# Altium PCB PA_8CH_CTRL.PcbDoc (part 6 of 10) (continued)
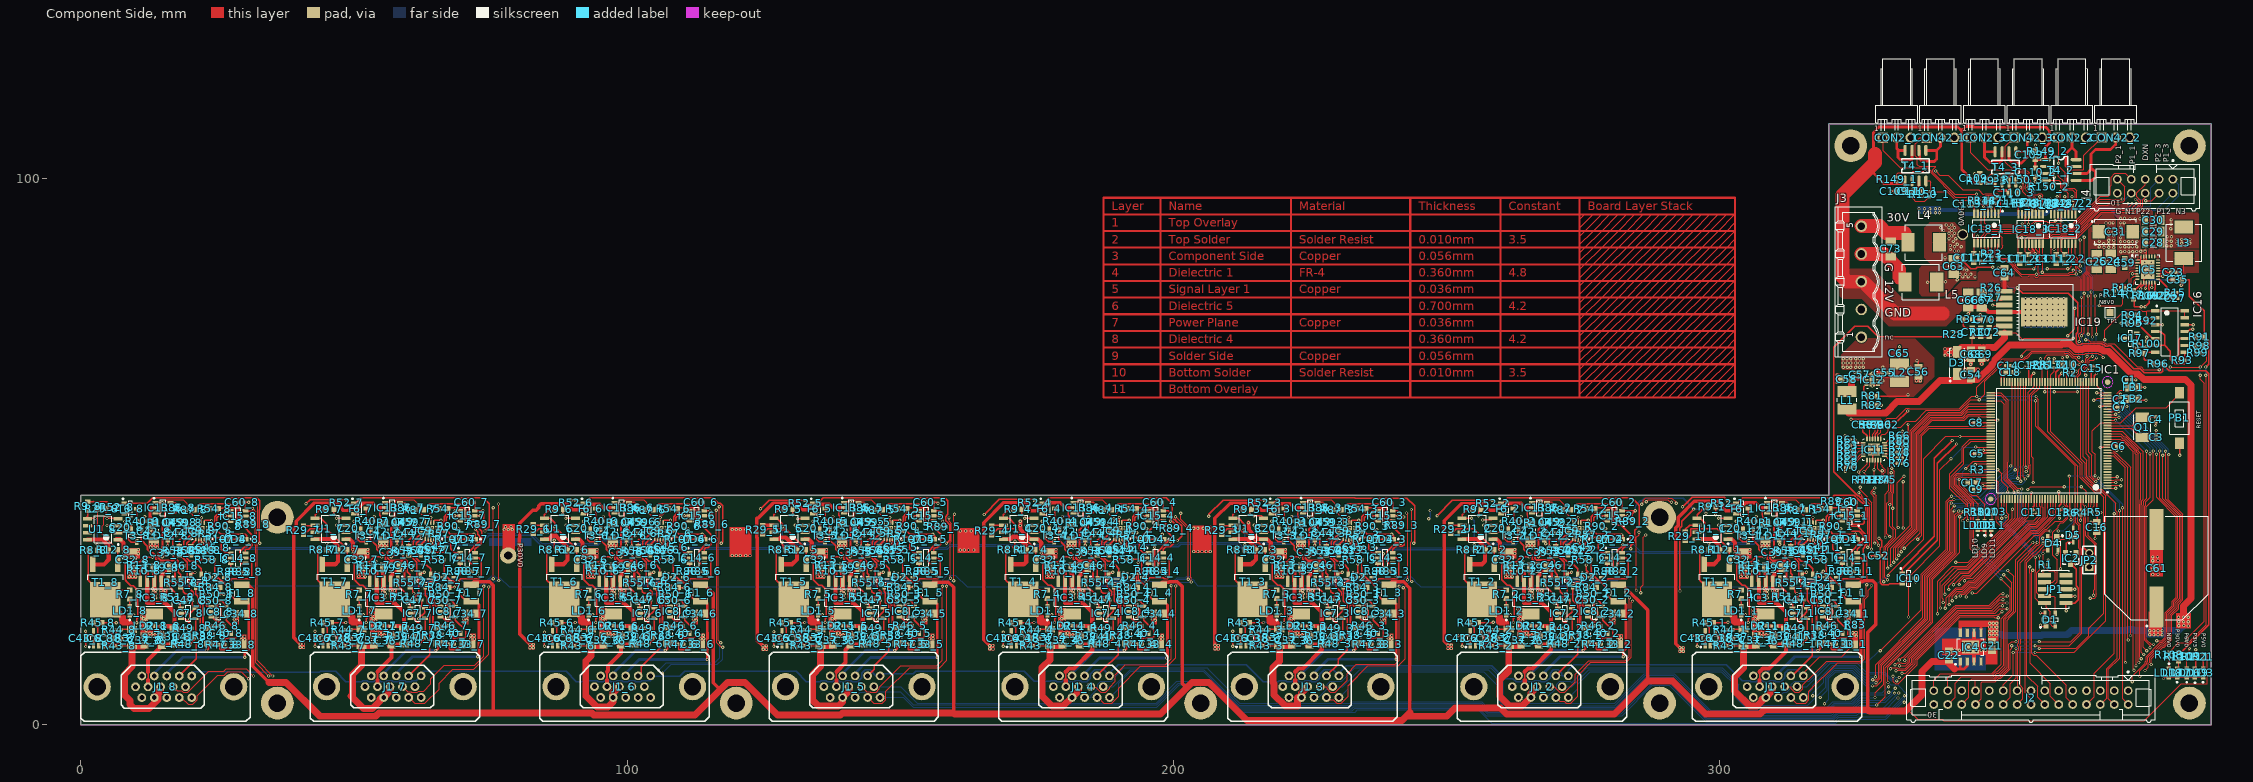
[diagram p0: Component Side view]
## Nets (pads, with @x,y where several pads share a name; then routed paths per layer and width w, separated by ;. In a path a pad name is that pad's centre, name@x,y a point inside that pad or via, vN(x,y) a via of type N, cw(c..) or ccw(c..) an arc to the next point about the centre after c; other vN are vias at no path point) (continued)
NetIC1_103: IC1.103 J2.27 | length 60
  Component Side w0.152: J2.27@341.76,6.27 341.76,8.614 342.228,9.082 349.923,9.082 350.57,9.728 350.799,9.728 352,10.929 352,19.447 352.954,20.401 352.973,20.401 353.512,20.94 353.512,25.988 v1(352,27.5) ; v1(346.38,32.487) 346.259,32.607 346.259,40.625 343.057,43.827 343.057,45.278 343.545,45.766 344.236,45.766 344.252,45.75 349.58,45.75 IC1.103@349.624,45.795
  Solder Side w0.152: v1(346.38,32.487) 346.391,32.487 351.377,27.5 v1(352,27.5)
NetIC1_104: IC1.104 J2.28 | length 61.7
  Component Side w0.152: J2.28@341.76,3.73 343.103,5.073 343.103,7.645 344.235,8.777 350.05,8.777 350.696,9.423 351.079,9.423 352.305,10.649 352.305,19.321 353.08,20.096 353.1,20.096 353.817,20.814 353.817,27.182 v1(352.749,28.25) ; v1(347.32,32.309) 346.564,33.064 346.564,40.751 343.362,43.953 343.362,45.152 343.672,45.461 344.11,45.461 344.262,45.309 349.61,45.309 IC1.104@349.624,45.295
  Solder Side w0.152: v1(347.32,32.309) 351.378,28.25 v1(352.749,28.25)
NetIC1_138: IC1.138 JP2.2 R4.1 | length 10.6
  Component Side w0.254: IC1.138@366.074,41.345 366.074,39.348 R4.1@366.09,39.332 366.145,39.332 366.68,38.798 366.68,32.431 JP2.2@367.665,31.445
NetIC1_139: IC1.139 J2.18 | length 45.6
  Component Side w0.152: J2.18@354.46,3.73 355.489,4.759 355.489,6.737 354.99,7.235 354.99,13.562 355.083,13.655 355.083,14.345 354.99,14.438 354.99,14.812 355.083,14.905 355.083,15.595 354.99,15.687 354.99,29.667 358.17,32.847 358.334,32.847 358.643,33.157 358.643,33.954 358.627,33.969 358.627,34.407 359.72,35.5 v1(360.499,35.5) ; IC1.139@366.574,41.345 366.574,40.283 v1(366.979,39.878)
  Signal Layer 1 w0.152: v1(360.499,35.5) v1(361.999,35.5)
  Solder Side w0.152: v1(361.999,35.5) 362.993,35.5 365.536,38.043 365.536,38.446 365.846,38.756 365.885,38.756 366.979,39.85 v1(366.979,39.878)
NetIC1_143: IC1.143 R5.2 | length 2.5
  Component Side w0.152: R5.2@368.211,38.964 368.211,39.764 368.574,40.127 IC1.143@368.574,41.345
NetIC3_1_1: IC3_1.1 IC14_1.5 R51_1.2 | length 23.3
  Component Side w0.254: R51_1.2@312.678,23.892 311,25.571 IC3_1.1@311,26.306 311.535,26.306 311.736,26.106 313.904,26.106 314.138,26.34 v1(314.249,26.34) ; v1(322.051,26.216) 322.602,26.767 325.902,26.767 326.301,27.166 326.301,30.095 325.836,30.56 IC14_1.5@325.154,30.56
  Solder Side w0.254: v1@314.253,26.318 319.816,26.318 319.917,26.216 v1(322.051,26.216)
NetIC3_1_4: IC3_1.4 R10_1.2 R11_1.1 R39_1.2 R49_1.2 | length 18.7
  Component Side w0.508: R39_1.2@312.16,17.631 312.236,17.707 R49_1.2@314.418,17.707
  Component Side w0.762: R10_1.2@307.005,28.206 307.15,28.061 307.15,26.346 IC3_1.4@307.19,26.306 307.19,22.33 310.469,22.33 312.16,20.639 R39_1.2@312.16,17.631 311.71,18.081 R11_1.1@310.53,18.081
NetIC3_1_5: IC3_1.5 R10_1.1 R13_1.2 | length 2.9
  Component Side w0.254: IC3_1.5@305.92,26.306 305.92,29.086 R13_1.2@306.04,29.206
NetIC3_2_1: IC3_2.1 IC14_2.5 R51_2.2 | length 23.3
  Component Side w0.254: R51_2.2@269.678,23.892 268,25.571 IC3_2.1@268,26.306 268.535,26.306 268.736,26.106 270.904,26.106 271.138,26.34 v1(271.247,26.34) ; v1(279.051,26.216) 279.602,26.767 282.902,26.767 283.301,27.166 283.301,30.095 282.836,30.56 IC14_2.5@282.154,30.56
  Solder Side w0.254: v1@271.253,26.318 276.816,26.318 276.917,26.216 v1(279.051,26.216)
NetIC3_2_4: IC3_2.4 R10_2.2 R11_2.1 R39_2.2 R49_2.2 | length 18.7
  Component Side w0.508: R39_2.2@269.16,17.631 269.236,17.707 R49_2.2@271.418,17.707
  Component Side w0.762: R10_2.2@264.005,28.206 264.15,28.061 264.15,26.346 IC3_2.4@264.19,26.306 264.19,22.33 267.469,22.33 269.16,20.639 R39_2.2@269.16,17.631 268.71,18.081 R11_2.1@267.53,18.081
NetIC3_2_5: IC3_2.5 R10_2.1 R13_2.2 | length 2.9
  Component Side w0.254: IC3_2.5@262.92,26.306 262.92,29.086 R13_2.2@263.04,29.206
NetIC3_3_1: IC3_3.1 IC14_3.5 R51_3.2 | length 23.4
  Component Side w0.254: R51_3.2@227.678,23.892 226,25.571 IC3_3.1@226,26.306 226.535,26.306 226.852,25.989 228.787,25.989 229.091,26.293 v1(229.253,26.293) ; v1(237.051,26.216) 237.602,26.767 240.902,26.767 241.301,27.166 241.301,30.095 240.836,30.56 IC14_3.5@240.154,30.56
  Solder Side w0.254: v1@229.253,26.318 234.816,26.318 234.917,26.216 v1(237.051,26.216)
NetIC3_3_4: IC3_3.4 R10_3.2 R11_3.1 R39_3.2 R49_3.2 | length 18.7
  Component Side w0.508: R39_3.2@227.16,17.631 227.236,17.707 R49_3.2@229.418,17.707
  Component Side w0.762: R10_3.2@222.005,28.206 222.15,28.061 222.15,26.346 IC3_3.4@222.19,26.306 222.19,22.33 225.469,22.33 227.16,20.639 R39_3.2@227.16,17.631 226.71,18.081 R11_3.1@225.53,18.081
NetIC3_3_5: IC3_3.5 R10_3.1 R13_3.2 | length 2.9
  Component Side w0.254: IC3_3.5@220.92,26.306 220.92,29.086 R13_3.2@221.04,29.206
NetIC3_4_1: IC3_4.1 IC14_4.5 R51_4.2 | length 23.4
  Component Side w0.254: R51_4.2@185.678,23.892 184,25.571 IC3_4.1@184,26.306 184.535,26.306 184.776,26.065 186.863,26.065 187.091,26.293 v1(187.253,26.293) ; v1(195.051,26.216) 195.051,26.267 195.686,26.902 198.203,26.902 198.338,26.767 198.902,26.767 199.301,27.166 199.301,30.095 198.836,30.56 IC14_4.5@198.154,30.56
  Solder Side w0.254: v1@187.253,26.318 192.816,26.318 192.917,26.216 v1(195.051,26.216)
NetIC3_4_4: IC3_4.4 R10_4.2 R11_4.1 R39_4.2 R49_4.2 | length 18.7
  Component Side w0.508: R39_4.2@185.16,17.631 185.236,17.707 R49_4.2@187.418,17.707
  Component Side w0.762: R10_4.2@180.005,28.206 180.15,28.061 180.15,26.346 IC3_4.4@180.19,26.306 180.19,22.33 183.469,22.33 185.16,20.639 R39_4.2@185.16,17.631 184.71,18.081 R11_4.1@183.53,18.081
NetIC3_4_5: IC3_4.5 R10_4.1 R13_4.2 | length 2.9
  Component Side w0.254: IC3_4.5@178.92,26.306 178.92,29.086 R13_4.2@179.04,29.206
NetIC3_5_1: IC3_5.1 IC14_5.5 R51_5.2 | length 23.3
  Component Side w0.254: R51_5.2@143.678,23.892 142,25.571 IC3_5.1@142,26.306 142.535,26.306 142.736,26.106 144.904,26.106 145.091,26.293 v1(145.253,26.293) ; v1(153.051,26.216) 153.602,26.767 156.902,26.767 157.301,27.166 157.301,30.095 156.836,30.56 IC14_5.5@156.154,30.56
  Solder Side w0.254: v1@145.253,26.318 150.816,26.318 150.917,26.216 v1(153.051,26.216)
NetIC3_5_4: IC3_5.4 R10_5.2 R11_5.1 R39_5.2 R49_5.2 | length 18.7
  Component Side w0.508: R39_5.2@143.16,17.631 143.236,17.707 R49_5.2@145.418,17.707
  Component Side w0.762: R10_5.2@138.005,28.206 138.15,28.061 138.15,26.346 IC3_5.4@138.19,26.306 138.19,22.33 141.469,22.33 143.16,20.639 R39_5.2@143.16,17.631 142.71,18.081 R11_5.1@141.53,18.081
NetIC3_5_5: IC3_5.5 R10_5.1 R13_5.2 | length 2.9
  Component Side w0.254: IC3_5.5@136.92,26.306 136.92,29.086 R13_5.2@137.04,29.206
NetIC3_6_1: IC3_6.1 IC14_6.5 R51_6.2 | length 23.3
  Component Side w0.254: R51_6.2@101.678,23.892 100,25.571 IC3_6.1@100,26.306 100.535,26.306 100.802,26.04 102.838,26.04 103.091,26.293 v1(103.253,26.293) ; v1(111.051,26.216) 111.602,26.767 114.902,26.767 115.301,27.166 115.301,30.095 114.836,30.56 IC14_6.5@114.154,30.56
  Solder Side w0.254: v1@103.253,26.318 108.816,26.318 108.917,26.216 v1(111.051,26.216)
NetIC3_6_4: IC3_6.4 R10_6.2 R11_6.1 R39_6.2 R49_6.2 | length 18.7
  Component Side w0.508: R39_6.2@101.16,17.631 101.236,17.707 R49_6.2@103.418,17.707
  Component Side w0.762: R10_6.2@96.005,28.206 96.15,28.061 96.15,26.346 IC3_6.4@96.19,26.306 96.19,22.33 99.469,22.33 101.16,20.639 R39_6.2@101.16,17.631 100.71,18.081 R11_6.1@99.53,18.081
NetIC3_6_5: IC3_6.5 R10_6.1 R13_6.2 | length 2.9
  Component Side w0.254: IC3_6.5@94.92,26.306 94.92,29.086 R13_6.2@95.04,29.206
NetIC3_7_1: IC3_7.1 IC14_7.5 R51_7.2 | length 23.3
  Component Side w0.254: R51_7.2@59.678,23.892 58,25.571 IC3_7.1@58,26.306 58.535,26.306 58.802,26.04 60.838,26.04 61.091,26.293 v1(61.253,26.293) ; v1(69.051,26.216) 69.602,26.767 72.902,26.767 73.301,27.166 73.301,30.095 72.836,30.56 IC14_7.5@72.154,30.56
  Solder Side w0.254: v1@61.253,26.318 66.816,26.318 66.917,26.216 v1(69.051,26.216)
NetIC3_7_4: IC3_7.4 R10_7.2 R11_7.1 R39_7.2 R49_7.2 | length 18.7
  Component Side w0.508: R39_7.2@59.16,17.631 59.236,17.707 R49_7.2@61.418,17.707
  Component Side w0.762: R10_7.2@54.005,28.206 54.15,28.061 54.15,26.346 IC3_7.4@54.19,26.306 54.19,22.33 57.469,22.33 59.16,20.639 R39_7.2@59.16,17.631 58.71,18.081 R11_7.1@57.53,18.081
NetIC3_7_5: IC3_7.5 R10_7.1 R13_7.2 | length 2.9
  Component Side w0.254: IC3_7.5@52.92,26.306 52.92,29.086 R13_7.2@53.04,29.206
NetIC3_8_1: IC3_8.1 IC14_8.5 R51_8.2 | length 23.4
  Component Side w0.254: R51_8.2@17.678,23.863 16,25.542 IC3_8.1@16,26.277 16.535,26.277 16.9,25.913 17.461,25.913 17.625,26.077 18.904,26.077 19.091,26.264 v1(19.253,26.264) ; v1(27.051,26.187) 27.602,26.738 30.902,26.738 31.301,27.137 31.301,30.066 30.836,30.531 IC14_8.5@30.154,30.531
  Solder Side w0.254: v1@19.253,26.289 24.816,26.289 24.917,26.187 v1(27.051,26.187)
NetIC3_8_4: IC3_8.4 R10_8.2 R11_8.1 R39_8.2 R49_8.2 | length 18.7
  Component Side w0.508: R39_8.2@17.16,17.602 17.236,17.678 R49_8.2@19.418,17.678
  Component Side w0.762: R10_8.2@12.005,28.177 12.15,28.032 12.15,26.317 IC3_8.4@12.19,26.277 12.19,22.301 15.469,22.301 17.16,20.61 R39_8.2@17.16,17.602 16.71,18.052 R11_8.1@15.53,18.052
NetIC3_8_5: IC3_8.5 R10_8.1 R13_8.2 | length 2.9
  Component Side w0.254: IC3_8.5@10.92,26.277 10.92,29.057 R13_8.2@11.04,29.177
NetIC5_5: IC5.5 R14.1 | length 7
  Component Side w0.152: R14.1@372.25,79.47 372.75,79.97 372.75,80.31 373.03,80.589 374.589,80.589 375,81 375,82.752 375.367,83.119 375.805,83.119 375.822,83.103 IC5.5@376.48,83.103
NetIC5_7: IC5.7 R18.2 | length 3.4
  Component Side w0.152: R18.2@374.354,80.051 374.482,80.051 375.383,80.952 375.383,81.753 375.693,82.062 375.805,82.062 375.846,82.103 IC5.7@376.48,82.103
NetIC5_9: IC5.9 R16.2 R17.2 | length 3.9
  Component Side w0.254: R17.2@375.764,79.53 376.077,79.217 377.35,79.217 377.361,79.228 R16.2@377.542,79.048 ; R17.2@375.993,79.555 377.13,80.693 IC5.9@377.13,80.953
NetIC5_12: IC5.12 R19.2 | length 2
  Component Side w0.254: R19.2@378.609,79.048 378.63,79.069 378.63,79.743 378.551,79.823 378.551,80.432 378.63,80.511 IC5.12@378.63,80.953
NetIC6_1_1: IC6_1.1 R45_1.1 | length 4.8
  Component Side w0.254: R45_1.1@297.31,18.706 297.31,18.606 298.124,17.792 298.124,16.437 297.352,15.665 IC6_1.1@297.352,14.575
NetIC6_2_1: IC6_2.1 R45_2.1 | length 4.8
  Component Side w0.254: R45_2.1@254.31,18.706 254.31,18.606 255.124,17.792 255.124,16.437 254.352,15.665 IC6_2.1@254.352,14.575
NetIC6_3_1: IC6_3.1 R45_3.1 | length 4.8
  Component Side w0.254: R45_3.1@212.31,18.706 212.31,18.606 213.124,17.792 213.124,16.437 212.352,15.665 IC6_3.1@212.352,14.575
NetIC6_4_1: IC6_4.1 R45_4.1 | length 4.8
  Component Side w0.254: R45_4.1@170.31,18.706 170.31,18.606 171.124,17.792 171.124,16.437 170.352,15.665 IC6_4.1@170.352,14.575
NetIC6_5_1: IC6_5.1 R45_5.1 | length 4.8
  Component Side w0.254: R45_5.1@128.31,18.706 128.31,18.606 129.124,17.792 129.124,16.437 128.352,15.665 IC6_5.1@128.352,14.575
NetIC6_6_1: IC6_6.1 R45_6.1 | length 4.8
  Component Side w0.254: R45_6.1@86.31,18.706 86.31,18.606 87.124,17.792 87.124,16.437 86.352,15.665 IC6_6.1@86.352,14.575
NetIC6_7_1: IC6_7.1 R45_7.1 | length 4.8
  Component Side w0.254: R45_7.1@44.31,18.706 44.31,18.606 45.124,17.792 45.124,16.437 44.352,15.665 IC6_7.1@44.352,14.575
NetIC6_8_1: IC6_8.1 R45_8.1 | length 4.8
  Component Side w0.254: R45_8.1@2.31,18.677 2.31,18.577 3.124,17.763 3.124,16.408 2.352,15.636 IC6_8.1@2.352,14.546
NetIC7_1_1: IC7_1.1 R53_1.1 | length 11.3
  Component Side w0.254: R53_1.1@313.212,31.106 314.528,29.79 314.528,26.88 314.828,26.58 314.828,23.907 314.395,23.474 313.918,23.474 313.369,22.926 313.369,21.413 IC7_1.1@313.385,21.397
NetIC7_2_1: IC7_2.1 R53_2.1 | length 11.7
  Component Side w0.254: R53_2.1@270.212,31.106 271.528,29.79 271.528,26.878 272.08,26.326 272.08,23.814 271.741,23.474 270.918,23.474 270.369,22.926 270.369,21.413 IC7_2.1@270.385,21.397
NetIC7_3_1: IC7_3.1 R53_3.1 | length 12.6
  Component Side w0.254: R53_3.1@228.212,31.106 229.528,29.79 229.528,26.838 229.833,26.533 229.833,25.19 230.729,24.294 230.729,23.814 230.389,23.474 228.918,23.474 228.369,22.926 228.369,21.413 IC7_3.1@228.385,21.397
NetIC7_4_1: IC7_4.1 R53_4.1 | length 12.6
  Component Side w0.254: R53_4.1@186.212,31.106 187.528,29.79 187.528,26.838 187.879,26.486 187.879,25.224 188.743,24.36 188.743,23.839 188.403,23.5 186.943,23.5 186.369,22.926 186.369,21.413 IC7_4.1@186.385,21.397
NetIC7_5_1: IC7_5.1 R53_5.1 | length 12.5
  Component Side w0.254: R53_5.1@144.212,31.106 145.694,29.623 145.694,28.989 145.461,28.756 145.461,26.904 145.833,26.533 145.833,25.014 146.553,24.294 146.553,23.814 146.214,23.474 144.918,23.474 144.369,22.926 144.369,21.413 IC7_5.1@144.385,21.397
NetIC7_6_1: IC7_6.1 R53_6.1 | length 12.4
  Component Side w0.254: R53_6.1@102.212,31.106 103.528,29.79 103.528,26.838 103.833,26.533 103.833,25.079 104.618,24.294 104.618,23.814 104.253,23.449 102.893,23.449 102.369,22.926 102.369,21.413 IC7_6.1@102.385,21.397
NetIC7_7_1: IC7_7.1 R53_7.1 | length 11.1
  Component Side w0.254: R53_7.1@60.212,31.106 61.528,29.79 61.528,26.838 61.833,26.533 61.833,24.082 61.2,23.449 61.063,23.449 60.304,22.691 60.304,21.478 IC7_7.1@60.385,21.397
NetIC7_8_1: IC7_8.1 R53_8.1 | length 12.4
  Component Side w0.254: R53_8.1@18.212,31.077 19.528,29.761 19.528,26.809 19.833,26.504 19.833,25.03 20.62,24.243 20.62,23.763 20.281,23.424 19.066,23.424 18.268,22.625 18.268,22.518 18.258,22.508 18.258,21.495 IC7_8.1@18.385,21.368
NetIC8_1_1: IC8_1.1 R55_1.1 | length 8.5
  Component Side w0.254: R55_1.1@313.288,25.235 313.796,24.727 313.796,24.413 v1(314.155,24.054) ; v1(317.805,24.003) 317.805,22.439 317.995,22.248 317.995,21.74 318.03,21.705 IC8_1.1@318.897,21.705
  Solder Side w0.254: v1(314.155,24.054) 317.754,24.054 v1(317.805,24.003)
NetIC8_2_1: IC8_2.1 R55_2.1 | length 9.7
  Component Side w0.254: R55_2.1@270.288,25.235 270.796,24.727 270.796,24.413 271.282,23.927 271.409,24.054 v1(271.501,24.054) ; v1(275.006,23.901) 275.006,23.771 274.814,23.58 274.814,22.43 274.993,22.25 274.993,21.751 275.039,21.705 IC8_2.1@275.897,21.705
  Solder Side w0.254: v1(271.501,24.054) 271.146,24.054 271.019,23.927 274.98,23.927 v1(275.006,23.901)
NetIC8_3_1: IC8_3.1 R55_3.1 | length 8.4
  Component Side w0.254: R55_3.1@228.288,25.235 228.796,24.727 228.796,24.413 229.155,24.054 v1(230.149,24.054) ; v1(232.74,24.003) 232.74,22.467 232.932,22.276 232.932,21.803 233.03,21.705 IC8_3.1@233.897,21.705
  Solder Side w0.254: v1(230.149,24.054) 232.689,24.054 v1(232.74,24.003)
NetIC8_4_1: IC8_4.1 R55_4.1 | length 8.5
  Component Side w0.254: R55_4.1@186.288,25.235 186.796,24.727 186.796,24.413 187.13,24.079 v1(188.163,24.079) ; v1(190.779,23.876) 190.779,22.462 190.932,22.309 190.932,21.803 191.03,21.705 IC8_4.1@191.897,21.705
  Solder Side w0.254: v1@188.087,24.155 v1(188.163,24.079) 188.366,23.876 v1(190.779,23.876)
NetIC8_5_1: IC8_5.1 R55_5.1 | length 8.4
  Component Side w0.254: R55_5.1@144.288,25.235 144.796,24.727 144.796,24.413 145.155,24.054 v1(145.974,24.054) ; v1(148.768,23.978) 148.768,22.44 148.932,22.276 148.932,21.803 149.03,21.705 IC8_5.1@149.897,21.705
  Solder Side w0.254: v1(145.974,24.054) 148.692,24.054 v1(148.768,23.978)
NetIC8_6_1: IC8_6.1 R55_6.1 | length 8.4
  Component Side w0.254: R55_6.1@102.288,25.235 102.796,24.727 102.796,24.413 103.155,24.054 v1(104.038,24.054) ; v1(106.788,23.979) 106.788,22.42 106.957,22.25 106.957,21.778 107.03,21.705 IC8_6.1@107.897,21.705
  Solder Side w0.254: v1@104.038,23.979 v1(106.788,23.979)
NetIC8_7_1: IC8_7.1 R55_7.1 | length 8.5
  Component Side w0.254: R55_7.1@60.288,25.235 60.796,24.727 60.796,24.413 60.985,24.224 v1(60.985,24.054) ; v1(64.745,23.978) 64.745,22.463 64.932,22.276 64.932,21.803 65.03,21.705 IC8_7.1@65.897,21.705
  Solder Side w0.254: v1(60.985,24.054) 61.062,23.978 v1(64.745,23.978)
NetIC8_8_1: IC8_8.1 R55_8.1 | length 8.4
  Component Side w0.254: R55_8.1@18.288,25.206 18.796,24.698 18.796,24.384 19.177,24.003 v1(20.041,24.003) ; v1(22.708,23.876) 22.708,22.471 22.932,22.247 22.932,21.774 23.03,21.676 IC8_8.1@23.897,21.676
  Solder Side w0.254: v1(20.041,24.003) 22.581,24.003 v1(22.708,23.876)
NetIC9_1_13: IC9_1.13 R56_1.1 | length 1.9
  Component Side w0.254: R56_1.1@314.964,32.681 316.094,33.81 IC9_1.13@316.094,34.085
NetIC9_2_13: IC9_2.13 R56_2.1 | length 1.9
  Component Side w0.254: R56_2.1@271.964,32.681 273.094,33.81 IC9_2.13@273.094,34.085
NetIC9_3_13: IC9_3.13 R56_3.1 | length 1.9
  Component Side w0.254: R56_3.1@229.964,32.681 231.094,33.81 IC9_3.13@231.094,34.085
NetIC9_4_13: IC9_4.13 R56_4.1 | length 1.9
  Component Side w0.254: R56_4.1@187.964,32.681 189.094,33.81 IC9_4.13@189.094,34.085
NetIC9_5_13: IC9_5.13 R56_5.1 | length 1.9
  Component Side w0.254: R56_5.1@145.964,32.681 147.094,33.81 IC9_5.13@147.094,34.085
NetIC9_6_13: IC9_6.13 R56_6.1 | length 1.9
  Component Side w0.254: R56_6.1@103.964,32.681 105.094,33.81 IC9_6.13@105.094,34.085
NetIC9_7_13: IC9_7.13 R56_7.1 | length 1.9
  Component Side w0.254: R56_7.1@61.964,32.681 63.094,33.81 IC9_7.13@63.094,34.085
NetIC9_8_13: IC9_8.13 R56_8.1 | length 1.9
  Component Side w0.254: R56_8.1@19.964,32.652 21.094,33.781 IC9_8.13@21.094,34.056
NetIC11_18: IC11.18 R66.2 | length 2.8
  Component Side w0.152: IC11.18@330.191,51.653 330.418,51.653 331.668,52.903 R66.2@332.521,52.903
NetIC11_22: IC11.22 R69.2 | length 2.3
  Component Side w0.152: IC11.22@327.991,52.353 327.991,53.239 328.491,53.739 R69.2@328.491,54.433
NetIC11_23: IC11.23 R67.2 | length 2.1
  Component Side w0.152: IC11.23@327.491,52.353 R67.2@327.491,54.433
NetIC12_5: IC12.5 R81.1 R82.2 | length 4.1
  Component Side w0.305: IC12.5@326.894,62.205 326.695,62.205 326.415,61.925 326.415,61.011 R81.1@327.025,60.401 ; R82.2@327.144,58.455 R81.1@327.144,60.205
NetIC12_9: IC12.9 L2.1 | length 2.6
  Component Side w0.305: IC12.9@328.994,63.705 329.439,63.705 329.542,63.602 L2.1@331.521,63.602
NetIC13_1_3: IC13_1.3 R54_1.2 | length 14.1
  Component Side w0.152: IC13_1.3@308.698,38.809 309.497,38.809 309.855,39.167 309.855,40.107 310.063,40.315 310.175,40.315 310.485,40.624 310.485,40.944 310.753,41.213 313.956,41.213 314.985,40.183 314.985,38.71 315.214,38.481 316.738,38.481 317.834,39.577 R54_1.2@318.635,39.577
NetIC13_1_4: IC13_1.4 R86_1.1 R87_1.2 | length 3.1
  Component Side w0.254: IC13_1.4@311.398,38.809 312.343,38.809 R86_1.1@312.811,39.276 314.118,39.276 R87_1.2@314.215,39.374
NetIC13_1_5: IC13_1.5 R38_1.1 R46_1.2 R86_1.2 R104_1.1 | length 34.2
  Component Side w0.254: IC13_1.5@311.398,40.709 312.318,40.709 R86_1.2@312.811,40.216 ; R38_1.1@318.495,17.833 318.823,18.161 R46_1.2@320.311,18.161
  Component Side w0.381: 310.642,30.048 309.665,30.048 309.188,30.525 309.188,31.566 309.62,31.998 309.62,32.028 309.931,32.339 309.931,36.486 R104_1.1@310.456,37.011 310.456,39.767 IC13_1.5@311.398,40.709 ; 310.643,30.049 312.077,30.049 312.278,29.848 312.278,26.731 v1(312.268,26.721) ; v1(316.89,25.171) 316.89,22.689 317.462,22.117 317.462,21.609 317.703,21.367 R38_1.1@317.703,17.704
  Solder Side w0.381: v1(312.268,26.721) 313.817,25.171 v1(316.89,25.171)
NetIC13_2_3: IC13_2.3 R54_2.2 | length 14.1
  Component Side w0.152: IC13_2.3@265.698,38.809 266.723,38.809 266.903,38.989 266.903,40.056 267.619,40.772 267.619,41.079 267.753,41.213 270.649,41.213 271.894,39.968 271.894,38.748 272.288,38.354 273.609,38.354 274.832,39.577 R54_2.2@275.635,39.577
NetIC13_2_4: IC13_2.4 R86_2.1 R87_2.2 | length 3.1
  Component Side w0.254: IC13_2.4@268.398,38.809 269.343,38.809 R86_2.1@269.811,39.276 271.118,39.276 R87_2.2@271.215,39.374
NetIC13_2_5: IC13_2.5 R38_2.1 R46_2.2 R86_2.2 R104_2.1 | length 34.2
  Component Side w0.254: IC13_2.5@268.398,40.709 269.318,40.709 R86_2.2@269.811,40.216 ; R38_2.1@275.495,17.833 275.823,18.161 R46_2.2@277.311,18.161
  Component Side w0.381: IC13_2.5@268.398,40.709 267.456,39.767 R104_2.1@267.456,37.011 267.456,36.417 266.839,35.8 266.839,32.27 266.188,31.619 266.188,30.525 266.564,30.148 268.978,30.148 269.28,29.846 269.28,26.909 v1(269.316,26.873) ; v1(273.964,25.451) 273.964,22.615 274.485,22.094 274.485,18.326 R38_2.1@274.93,17.882
  Solder Side w0.381: v1(269.316,26.873) 270.739,25.451 v1(273.964,25.451)
NetIC13_3_3: IC13_3.3 R54_3.2 | length 13.9
  Component Side w0.152: IC13_3.3@223.698,38.809 224.407,38.809 224.968,39.37 224.968,40.172 225.42,40.624 225.42,40.879 225.753,41.213 228.891,41.213 230.048,40.056 230.048,38.786 230.327,38.506 231.673,38.506 232.744,39.577 R54_3.2@233.635,39.577
NetIC13_3_4: IC13_3.4 R86_3.1 R87_3.2 | length 3.1
  Component Side w0.254: IC13_3.4@226.398,38.809 227.343,38.809 R86_3.1@227.811,39.276 229.118,39.276 R87_3.2@229.215,39.374
NetIC13_3_5: IC13_3.5 R38_3.1 R46_3.2 R86_3.2 R104_3.1 | length 35
  Component Side w0.254: IC13_3.5@226.398,40.709 227.318,40.709 R86_3.2@227.811,40.216 ; R38_3.1@233.495,17.833 233.823,18.161 R46_3.2@235.311,18.161
  Component Side w0.381: IC13_3.5@226.398,40.709 225.456,39.767 R104_3.1@225.456,37.011 225.456,36.454 224.839,35.837 224.839,32.247 224.62,32.028 224.62,31.489 224.188,31.058 224.188,30.525 224.664,30.049 227.077,30.049 227.278,29.848 227.278,26.621 v1(227.33,26.568) ; v1(231.953,25.654) 231.953,22.936 232.27,22.619 232.27,22.273 232.41,22.133 232.41,18.593 233.17,17.833 R38_3.1@233.495,17.833
  Solder Side w0.381: v1(227.33,26.568) 228.249,25.65 231.948,25.65 v1(231.953,25.654)
NetIC13_4_3: IC13_4.3 R54_4.2 | length 14.2
  Component Side w0.152: IC13_4.3@181.698,38.809 182.802,38.809 183.007,39.014 183.007,40.197 183.619,40.81 183.619,41.079 183.753,41.213 187.006,41.213 188.011,40.208 188.011,38.862 188.493,38.379 189.281,38.379 190.478,39.577 R54_4.2@191.635,39.577
NetIC13_4_4: IC13_4.4 R86_4.1 R87_4.2 | length 3.1
  Component Side w0.254: IC13_4.4@184.398,38.809 185.343,38.809 R86_4.1@185.811,39.276 187.118,39.276 R87_4.2@187.215,39.374
NetIC13_4_5: IC13_4.5 R38_4.1 R46_4.2 R86_4.2 R104_4.1 | length 34.9
  Component Side w0.254: IC13_4.5@184.398,40.709 185.318,40.709 R86_4.2@185.811,40.216 ; R38_4.1@191.495,17.833 191.823,18.161 R46_4.2@193.311,18.161
  Component Side w0.381: IC13_4.5@184.398,40.709 183.456,39.767 R104_4.1@183.456,37.011 183.456,36.364 182.839,35.747 182.839,32.247 182.62,32.028 182.62,31.489 182.188,31.058 182.188,30.525 182.664,30.049 185.077,30.049 185.293,29.833 v1(185.293,26.645) ; v1(190.017,25.425) 190.017,22.559 190.36,22.216 190.36,18.555 191.082,17.833 R38_4.1@191.495,17.833
  Solder Side w0.381: v1(185.293,26.645) 186.512,25.425 v1(190.017,25.425)
NetIC13_5_3: IC13_5.3 R54_5.2 | length 13.9
  Component Side w0.152: IC13_5.3@139.698,38.809 140.536,38.809 140.894,39.167 140.894,40.096 141.422,40.624 141.422,40.882 141.753,41.213 144.715,41.213 146.025,39.903 146.025,38.913 146.137,38.801 146.137,38.779 146.46,38.456 147.625,38.456 147.879,38.71 148.869,38.71 149.635,39.475 R54_5.2@149.635,39.577
NetIC13_5_4: IC13_5.4 R86_5.1 R87_5.2 | length 3.1
  Component Side w0.254: IC13_5.4@142.398,38.809 143.343,38.809 R86_5.1@143.811,39.276 145.118,39.276 R87_5.2@145.215,39.374
NetIC13_5_5: IC13_5.5 R38_5.1 R46_5.2 R86_5.2 R104_5.1 | length 34.8
  Component Side w0.254: IC13_5.5@142.398,40.709 143.318,40.709 R86_5.2@143.811,40.216 ; R38_5.1@149.495,17.833 149.823,18.161 R46_5.2@151.311,18.161
  Component Side w0.381: IC13_5.5@142.398,40.709 141.456,39.767 R104_5.1@141.456,37.011 140.937,36.492 140.937,32.388 140.188,31.639 140.188,30.525 140.664,30.049 143.077,30.049 143.278,29.848 143.278,26.75 v1(143.281,26.746) ; v1(147.904,25.476) 147.904,22.509 148.4,22.013 148.4,20.936 148.565,20.77 148.565,18.339 149.07,17.833 R38_5.1@149.495,17.833
  Solder Side w0.381: v1(143.281,26.746) 144.551,25.476 v1(147.904,25.476)
NetIC13_6_3: IC13_6.3 R54_6.2 | length 14
  Component Side w0.152: IC13_6.3@97.698,38.809 98.448,38.809 99.022,39.383 99.022,40.235 99.131,40.345 99.131,40.591 99.753,41.213 103.034,41.213 104.013,40.234 104.013,38.76 104.292,38.481 105.872,38.481 105.875,38.484 106.542,38.484 R54_6.2@107.635,39.577
NetIC13_6_4: IC13_6.4 R86_6.1 R87_6.2 | length 3.1
  Component Side w0.254: IC13_6.4@100.398,38.809 101.343,38.809 R86_6.1@101.811,39.276 103.118,39.276 R87_6.2@103.215,39.374
NetIC13_6_5: IC13_6.5 R38_6.1 R46_6.2 R86_6.2 R104_6.1 | length 35.1
  Component Side w0.254: IC13_6.5@100.398,40.709 101.318,40.709 R86_6.2@101.811,40.216 ; R38_6.1@107.495,17.833 107.823,18.161 R46_6.2@109.311,18.161
  Component Side w0.381: IC13_6.5@100.398,40.709 100.17,40.709 99.441,39.98 99.441,37.026 R104_6.1@99.456,37.011 98.908,36.463 98.908,32.661 98.668,32.421 98.668,32.12 98.188,31.639 98.188,30.525 98.664,30.049 101.077,30.049 101.321,29.805 v1(101.321,26.619) ; v1(106.02,25.552) 106.02,22.483 106.488,22.015 106.488,18.531 107.186,17.833 R38_6.1@107.495,17.833
  Solder Side w0.381: v1(101.321,26.619) 102.387,25.552 v1(106.02,25.552)
NetIC13_7_3: IC13_7.3 R54_7.2 | length 14
  Component Side w0.152: IC13_7.3@55.698,38.809 56.614,38.809 56.896,39.091 56.896,39.958 57.619,40.682 57.619,41.079 57.753,41.213 60.997,41.213 61.976,40.234 61.976,38.862 62.306,38.532 63.83,38.532 64.875,39.577 R54_7.2@65.635,39.577
NetIC13_7_4: IC13_7.4 R86_7.1 R87_7.2 | length 3.1
  Component Side w0.254: IC13_7.4@58.398,38.809 59.343,38.809 R86_7.1@59.811,39.276 61.118,39.276 R87_7.2@61.215,39.374
NetIC13_7_5: IC13_7.5 R38_7.1 R46_7.2 R86_7.2 R104_7.1 | length 34.9
  Component Side w0.254: IC13_7.5@58.398,40.709 58.428,40.679 59.348,40.679 R86_7.2@59.811,40.216 ; R38_7.1@65.495,17.833 65.823,18.161 R46_7.2@67.311,18.161
  Component Side w0.381: IC13_7.5@58.398,40.709 57.456,39.767 R104_7.1@57.456,37.011 57.456,36.729 56.839,36.112 56.839,32.29 56.188,31.639 56.188,30.525 56.664,30.049 59.077,30.049 59.278,29.848 59.278,26.715 v1(59.182,26.619) ; v1(63.983,25.375) 63.983,22.581 64.275,22.288 64.275,22.268 64.462,22.081 64.462,18.621 65.25,17.833 R38_7.1@65.495,17.833
  Solder Side w0.381: v1(59.182,26.619) 60.427,25.375 v1(63.983,25.375)
NetIC13_8_3: IC13_8.3 R54_8.2 | length 14
  Component Side w0.152: IC13_8.3@13.698,38.78 14.599,38.78 14.859,39.04 14.859,39.892 15.428,40.461 15.428,40.858 15.753,41.184 18.735,41.184 20.041,39.878 20.041,38.846 20.271,38.616 20.312,38.616 20.523,38.405 21.463,38.405 22.606,39.548 R54_8.2@23.635,39.548
  Component Side w0.254: R54_8.2@23.635,39.675 R54_8.2@23.724,39.675
NetIC13_8_4: IC13_8.4 R86_8.1 R87_8.2 | length 3.1
  Component Side w0.254: IC13_8.4@16.398,38.78 17.343,38.78 R86_8.1@17.811,39.247 19.118,39.247 R87_8.2@19.215,39.345